# Altium PCB PCB1.PcbDoc (part 1 of 3) (continued)
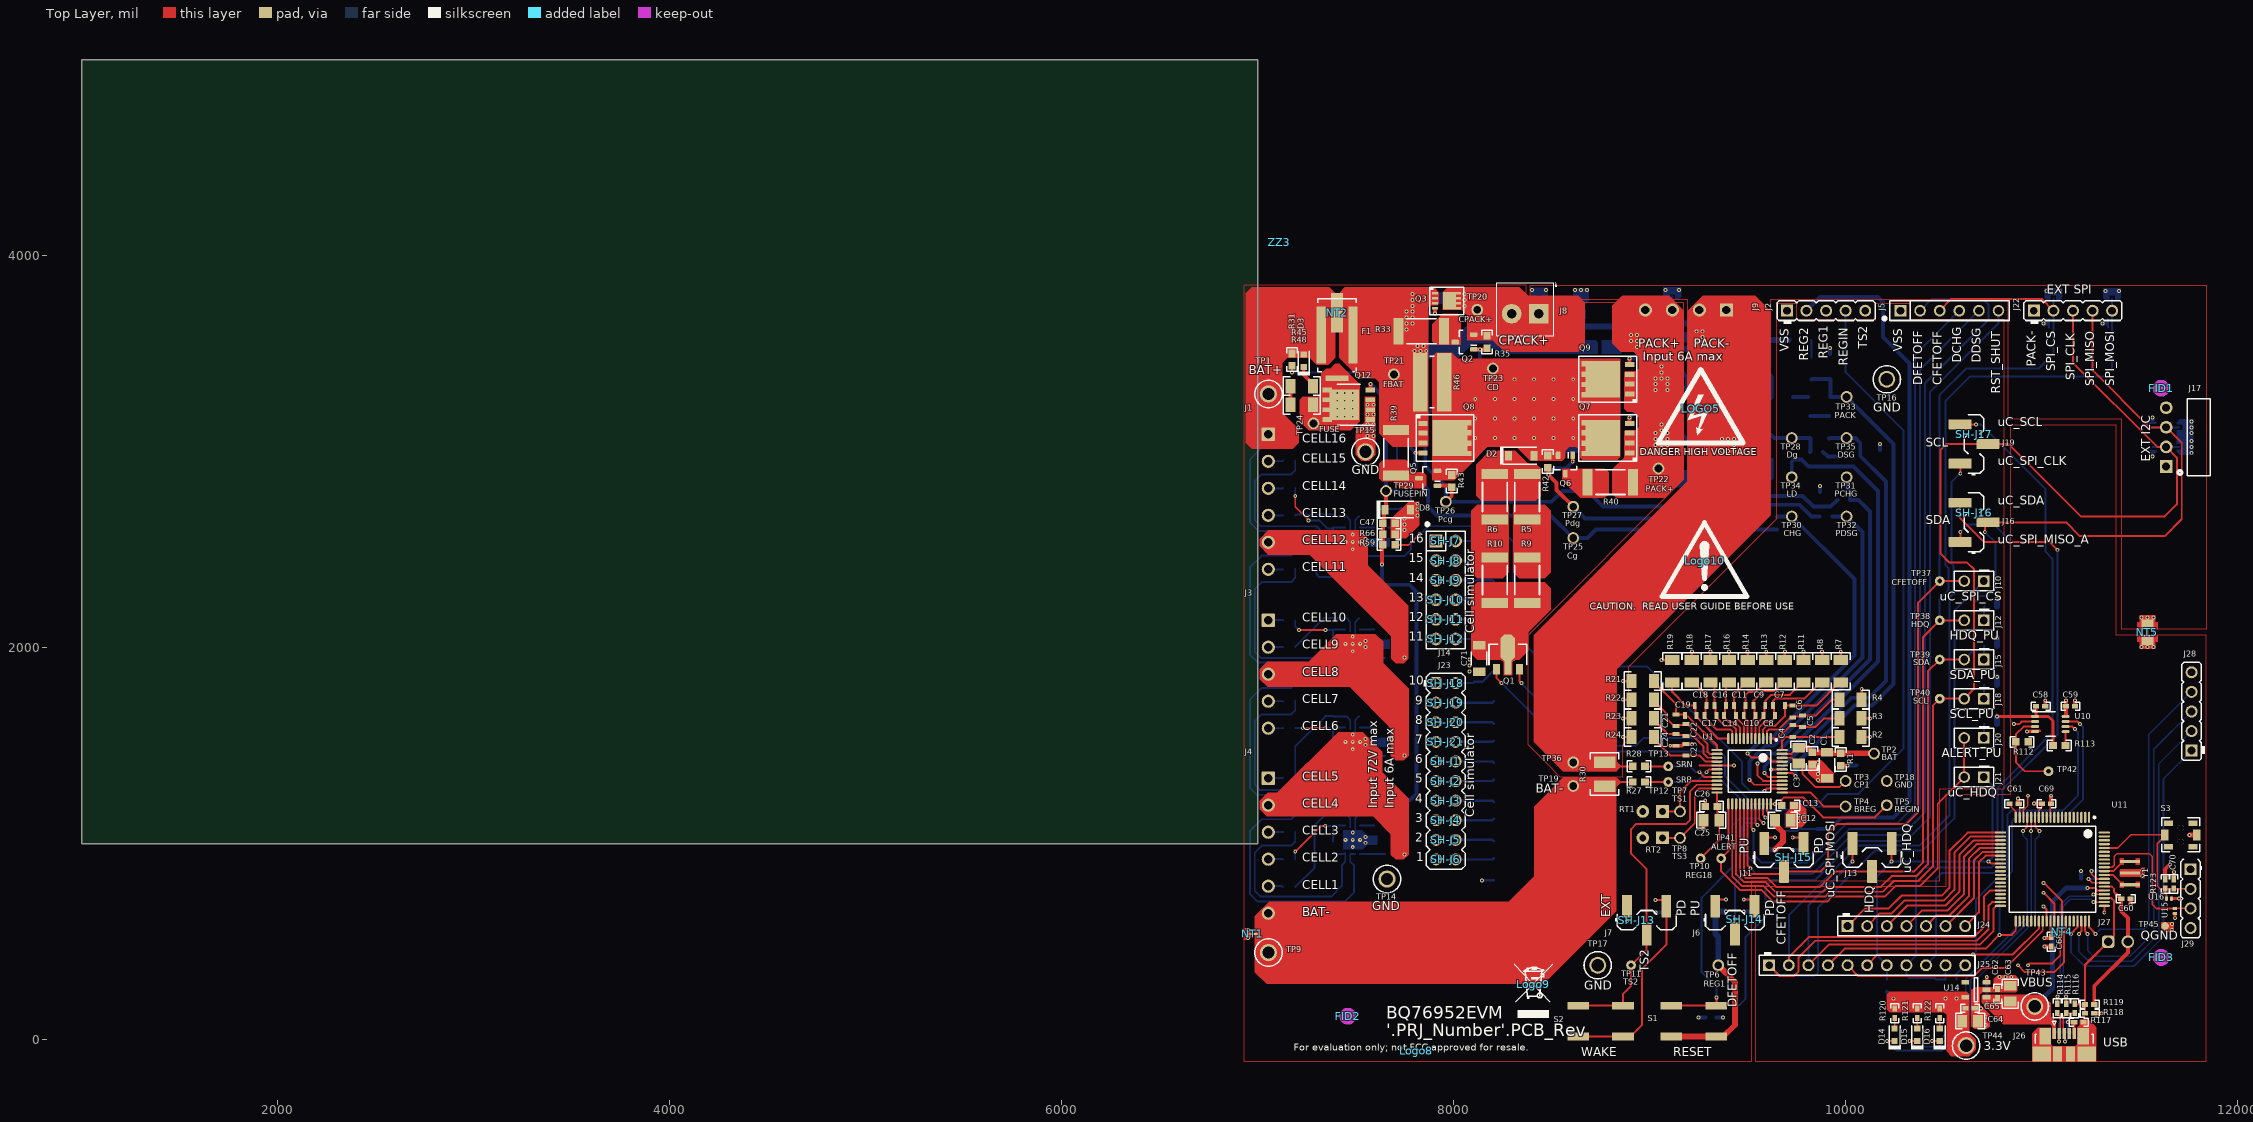
[diagram p0: Top Layer view]
## Components (designator, comment, footprint, x,y, rotation, side; value= is the part's Value field where it differs from the comment) (continued)
R3 "CRCW120620R0FKEA" 1206 10025,1640 r180 top value=20.0
R4 "CRCW120620R0FKEA" 1206 10025,1735 r180 top value=20.0
R5 "CRCW2512220RJNEG" 2512 8375,2770 r90 top value=220
R6 "CRCW2512220RJNEG" 2512 8210,2770 r90 top value=220
R7 "CRCW120620R0FKEA" 1206 9975,1880 r270 top value=20.0
R8 "CRCW120620R0FKEA" 1206 9880,1880 r270 top value=20.0
R9 "CRCW2512220RJNEG" 2512 8375,2345 r90 top value=220
R10 "CRCW2512220RJNEG" 2512 8210,2345 r90 top value=220
R11 "CRCW120620R0FKEA" 1206 9785,1880 r270 top value=20.0
R12 "CRCW120620R0FKEA" 1206 9690,1880 r270 top value=20.0
R13 "CRCW120620R0FKEA" 1206 9595,1880 r270 top value=20.0
R14 "CRCW120620R0FKEA" 1206 9500,1880 r270 top value=20.0
R15 "CRCW06030000Z0EA" 0603 9705,1215 r0 bottom value=0
R16 "CRCW120620R0FKEA" 1206 9405,1880 r270 top value=20.0
R17 "CRCW120620R0FKEA" 1206 9310,1880 r270 top value=20.0
R18 "CRCW120620R0FKEA" 1206 9215,1880 r270 top value=20.0
R19 "CRCW120620R0FKEA" 1206 9115,1880 r270 top value=20.0
R20 "CRCW060310K0JNEA" 0603 9285,145 r270 bottom value=10k
R21 "CRCW120620R0FKEA" 1206 8965,1830 r0 top value=20.0
R22 "CRCW120620R0FKEA" 1206 8965,1735 r0 top value=20.0
R23 "CRCW120620R0FKEA" 1206 8965,1640 r0 top value=20.0
R24 "CRCW120620R0FKEA" 1206 8965,1545 r0 top value=20.0
R25 "CRCW060310K0JNEA" 0603 9335,685 r90 bottom value=10k
R26 "CRCW0603100KJNEA" 0603 9535.01,685.01 r90 bottom value=100k
R27 "Resistor" 0603 8945,1315 r0 top value=100
R28 "Resistor" 0603 8945,1395 r0 top value=100
R29 "CRCW060310K0JNEA" 0603 9085,680.87 r90 bottom value=10k
R30 "Resistor" 1210M 8770,1355 r270 top value=0.001
R31 "Resistor" 0603 7175,3470 r270 top value=100
R32 "Resistor" 0603 7160,3090 r0 bottom value=1.0k
R33 "CRCW25124K70JNEG" 2512 7835,3615 r0 top value=4.7k
R34 "Resistor" 0603 7160,2955 r0 bottom value=1.0k
R35 "Resistor" 0603 8170,3560 r270 top value=10Meg
R36 "Resistor" 0603 7160,2815 r0 bottom value=1.0k
R37 "Resistor" 0603 7160,2675 r0 bottom value=1.0k
R38 "CRCW060320K0JNEA" 0603 7685,2540 r0 bottom value=20k
R39 "CRCW25124K70JNEG" 2512 7705,2995 r270 top value=4.7k
R40 "CRCW25124K70JNEG" 2512 8800,2845 r0 top value=4.7k
R41 "Resistor" 0603 7685,1950 r180 bottom value=100
R42 "Resistor" 0603 8480,2950 r270 top value=10Meg
R43 "Resistor" 0603 7990,2850 r270 top value=10Meg
R44 "RC0603FR-0795K3L" 0603 7730,2745 r90 bottom value=95.3k
R45 "CRCW12067K50JNEA" 1206 7225,3335 r0 top value=7.5k
R46 "Resistor" 2512_WIDE_VISHAY 7890,3355 r0 top value=0
R47 "Resistor" 0603 7160,2540 r0 bottom value=1.0k
R48 "CRCW12067K50JNEA" 1206 7225,3240 r180 top value=7.5k
R49 "Resistor" 0603 7160,2400 r0 bottom value=1.0k
R50 "Resistor" 0603 7830,3625 r0 bottom value=10Meg
R51 "Resistor" 0603 9125,3415 r0 bottom value=10Meg
R52 "Resistor" 0603 9125,3140 r0 bottom value=10Meg
R53 "Resistor" 0603 7160,2140 r0 bottom value=1.0k
R54 "Resistor" 0603 7160,2005 r0 bottom value=1.0k
R55 "CRCW060351R0JNEA" 0603 9000,3195 r0 bottom value=51
R56 "CRCW06030000Z0EA" 0603 9000,3480 r0 bottom value=0
R57 "Resistor" 0603 9315,3101.51 r90 bottom value=10k
R58 "CRCW060320K0JNEA" 0603 7685,2020 r0 bottom value=20k
R59 "Resistor" 0603 7670,2525 r0 top value=5.1k
R60 "RC0603JR-0762KL" 0603 7635,2290 r90 bottom value=62k
R61 "CRCW06035K10JNEA" 0603 9650,2635 r270 bottom value=5.1k
R62 "CRCW06035K10JNEA" 0603 9990,2755 r180 bottom value=5.1k
R63 "CRCW06035K10JNEA" 0603 9900,2670 r180 bottom value=5.1k
R64 "CRCW12065K10JNEA" 1206 9820,3125 r270 bottom value=5.1k
R65 "CRCW06037K50JNEA" 0603 9850,3000 r180 bottom value=7.5k
R66 "Resistor" 0603 7670,2580 r180 top value=20k
R67 "Resistor" 0603 7685,1450 r180 bottom value=100
R68 "CRCW12065K10JNEA" 1206 9915,3125 r90 bottom value=5.1k
R69 "Resistor" 0603 7160,1865 r0 bottom value=1.0k
R70 "CRCW12065K10JNEA" 1206 9865,3280 r0 bottom value=5.1k
R71 "CRCW12065K10JNEA" 1206 9675,3280 r0 bottom value=5.1k
R72 "Resistor" 0603 7160,1725 r0 bottom value=1.0k
R73 "CRCW12065K10JNEA" 1206 9825,3425 r270 bottom value=5.1k
R74 "CRCW12065K10JNEA" 1206 9765,3570 r0 bottom value=5.1k
R75 "Resistor" 0603 7160,1590 r0 bottom value=1.0k
R76 "CRCW12065K10JNEA" 1206 9680,2960 r0 bottom value=5.1k
R77 "CRCW12065K10JNEA" 1206 9565,2865 r0 bottom value=5.1k
R78 "Resistor" 0603 7160,1335 r0 bottom value=1.0k
R79 "CRCW060320K0JNEA" 0603 7685,1520 r0 bottom value=20k
R80 "CRCW060327K0JNEA" 0603 7780,1690 r0 bottom value=27k
R81 "Resistor" 0603 7685,945 r180 bottom value=100
R82 "Resistor" 0603 7625,1095 r0 bottom value=5.1k
R83 "Resistor" 0603 7160,1195 r0 bottom value=1.0k
R84 "Resistor" 0603 7160,1060 r0 bottom value=1.0k
R85 "Resistor" 0603 7160,920 r0 bottom value=1.0k
R86 "Resistor" 0603 7160,780 r0 bottom value=1.0k
R87 "CRCW1206200RFKEA" 1206 8105,2495 r90 bottom value=200
R88 "CRCW1206200RFKEA" 1206 8205,2395 r90 bottom value=200
R89 "CRCW060310K0JNEA" 0603 9585,1000.87 r90 bottom value=10k
R90 "CRCW1206200RFKEA" 1206 8105,2295 r90 bottom value=200
R91 "CRCW0603100KJNEA" 0603 9785,1000.87 r90 bottom value=100k
R92 "CRCW060310K0JNEA" 0603 10740,2210 r180 bottom value=10k
R93 "CRCW1206200RFKEA" 1206 8205,2195 r90 bottom value=200
R94 "CRCW060310K0JNEA" 0603 10740,2010 r180 bottom value=10k
R95 "CRCW1206200RFKEA" 1206 8105,2095 r90 bottom value=200
R96 "CRCW1206200RFKEA" 1206 8205,1935 r90 bottom value=200
R97 "CRCW060310K0JNEA" 0603 10740,1810 r180 bottom value=10k
R98 "CRCW1206200RFKEA" 1206 8105,1770 r90 bottom value=200
R99 "CRCW060310K0JNEA" 0603 10740,1610 r180 bottom value=10k
R100 "CRCW1206200RFKEA" 1206 8205,1670 r90 bottom value=200
R101 "CRCW1206200RFKEA" 1206 8105,1570 r90 bottom value=200
R102 "CRCW1206200RFKEA" 1206 8205,1470 r90 bottom value=200
R103 "CRCW1206200RFKEA" 1206 8105,1370 r90 bottom value=200
R104 "CRCW1206200RFKEA" 1206 8205,1270 r90 bottom value=200
R105 "CRCW1206200RFKEA" 1206 8105,1170 r90 bottom value=200
R106 "CRCW1206200RFKEA" 1206 8205,1070 r90 bottom value=200
R107 "CRCW1206200RFKEA" 1206 8105,970 r90 bottom value=200
R108 "CRCW1206200RFKEA" 1206 8205,870 r90 bottom value=200
R109 "CRCW060310K0JNEA" 0603 10565,275 r90 bottom value=10k
R110 "CRCW060310K0JNEA" 0603 10510,275 r90 bottom value=10k
R111 "CRCW060310K0JNEA" 0603 10210,275 r90 bottom value=10k
R112 "CRCW06030000Z0EA" 0603 10900,1520 r180 top value=0
R113 "CRCW06030000Z0EA" 0603 11090,1501 r0 top value=0
R114 "Resistor" 0402 11080,160 r90 top value=33
R115 "Resistor" 0402 11125,160 r90 top value=33
R116 "Resistor" 0402 11170,160 r270 top value=2.0k
R117 "Resistor" 0402 11190,90 r0 top value=10k
R118 "Resistor" 0402 11245,135 r180 top value=1.0Meg
R119 "Resistor" 0402 11245,180 r0 top value=1.0Meg
R120 "Resistor" 0402 10250,135 r90 top value=330
R121 "Resistor" 0402 10365,135 r90 top value=330
R122 "Resistor" 0402 10480,135 r90 top value=330
R123 "Resistor" 0402 11630,795 r90 top value=10k
RT1 "Thermistor" THERMISTOR_103AT-2 9015,1165 r180 top value=10k
RT2 "Thermistor" THERMISTOR_103AT-2 9015,1030 r180 top value=10k
S1 "SW_KST221JLFS" SW_KST221JLFS 9225,95 r0 top
S2 "SW_KST221JLFS" SW_KST221JLFS 8750,95 r180 top
S3 "PTS820 J20M SMTR LFS" SW_PTS820 11710,1045 r180 top
SH-J1 "SNT-100-BK-G" SNT-100-BK-G 7960,1420 r180 top value=1x2
SH-J2 "SNT-100-BK-G" SNT-100-BK-G 7960,1320 r180 top value=1x2
SH-J3 "SNT-100-BK-G" SNT-100-BK-G 7960,1220 r180 top value=1x2
SH-J4 "SNT-100-BK-G" SNT-100-BK-G 7960,1120 r180 top value=1x2
SH-J5 "SNT-100-BK-G" SNT-100-BK-G 7960,1020 r180 top value=1x2
SH-J6 "SNT-100-BK-G" SNT-100-BK-G 7960.01,920.01 r180 top value=1x2
SH-J7 "SNT-100-BK-G" SNT-100-BK-G 7960,2545 r180 top value=1x2
SH-J8 "SNT-100-BK-G" SNT-100-BK-G 7960,2445 r180 top value=1x2
SH-J9 "SNT-100-BK-G" SNT-100-BK-G 7960,2345 r180 top value=1x2
SH-J10 "SNT-100-BK-G" SNT-100-BK-G 7960,2245 r180 top value=1x2
SH-J11 "SNT-100-BK-G" SNT-100-BK-G 7960,2145 r180 top value=1x2
SH-J12 "SNT-100-BK-G" SNT-100-BK-G 7960,2045 r180 top value=1x2
SH-J13 "SNT-100-BK-G" SNT-100-BK-G 8935,610 r180 top value=1x2
SH-J14 "SNT-100-BK-G" SNT-100-BK-G 9485,615 r180 top value=1x2
SH-J15 "SNT-100-BK-G" SNT-100-BK-G 9735,930 r180 top value=1x2
SH-J16 "SNT-100-BK-G" SNT-100-BK-G 10655,2690 r90 top value=1x2
SH-J17 "SNT-100-BK-G" SNT-100-BK-G 10655,3090 r90 top value=1x2
SH-J18 "SNT-100-BK-G" SNT-100-BK-G 7960,1820 r180 top value=1x2
SH-J19 "SNT-100-BK-G" SNT-100-BK-G 7960,1720 r180 top value=1x2
SH-J20 "SNT-100-BK-G" SNT-100-BK-G 7960,1620 r180 top value=1x2
SH-J21 "SNT-100-BK-G" SNT-100-BK-G 7960,1520 r180 top value=1x2
TP1 "TESTPOINT" Keystone5010 7055,3295 r0 top
TP2 "TESTPOINT" TP_VIA_060RND040 10145,1460 r0 top
TP3 "TESTPOINT" TP_VIA_060RND040 10000,1320 r0 top
TP4 "TESTPOINT" TP_VIA_060RND040 10000,1190 r0 top
TP5 "TESTPOINT" TP_VIA_060RND040 10210,1196.26 r0 top
TP6 "TESTPOINT" TP_VIA_060RND040 9350,380 r0 top
TP7 "TESTPOINT" TP_VIA_060RND040 9155,1165 r0 top
TP8 "TESTPOINT" TP_VIA_060RND040 9155,1030 r90 top
TP9 "TESTPOINT" Keystone5011 7055,445 r0 top
TP10 "TESTPOINT" TP_50MIL-25MILHOLE 9260,925 r90 top
TP11 "TESTPOINT" TP_50MIL-25MILHOLE 8905,380 r0 top
TP12 "TESTPOINT" TP_50MIL-25MILHOLE 9095,1315 r90 top
TP13 "TESTPOINT" TP_50MIL-25MILHOLE 9095,1395 r90 top
TP14 "5006" Keystone5006 7660,820 r0 top
TP15 "5006" Keystone5006 7550,3000 r0 top
TP16 "5006" Keystone5006 10210,3370 r0 top
TP17 "5006" Keystone5006 8735,380 r0 top
TP18 "TESTPOINT" TP_VIA_060RND040 10210,1320 r90 top
TP19 "TESTPOINT" TP_VIA_060RND040 8610,1295 r90 top
TP20 "TESTPOINT" TP_VIA_060RND040 8120,3725 r90 top
TP21 "TESTPOINT" TP_VIA_060RND040 7695,3395 r90 top
TP22 "TESTPOINT" TP_VIA_060RND040 9045,2915 r90 top
TP23 "TESTPOINT" TP_VIA_060RND040 8200,3425 r90 top
TP24 "TESTPOINT" TP_VIA_060RND040 7285,3145 r90 top
TP25 "TESTPOINT" TP_VIA_060RND040 8610,2560 r90 top
TP26 "TESTPOINT" TP_VIA_060RND040 7960,2745 r90 top
TP27 "TESTPOINT" TP_VIA_060RND040 8610,2720 r90 top
TP28 "TESTPOINT" TP_VIA_060RND040 9725,3070 r90 top
TP29 "TESTPOINT" TP_VIA_060RND040 7655,2800 r90 top
TP30 "TESTPOINT" TP_VIA_060RND040 9725,2670 r90 top
TP31 "TESTPOINT" TP_VIA_060RND040 10005,2870 r90 top
TP32 "TESTPOINT" TP_VIA_060RND040 10005,2670 r90 top
TP33 "TESTPOINT" TP_VIA_060RND040 10005,3280 r90 top
TP34 "TESTPOINT" TP_VIA_060RND040 9725,2870 r90 top
TP35 "TESTPOINT" TP_VIA_060RND040 10005,3070 r90 top
TP36 "TESTPOINT" TP_VIA_060RND040 8610,1415 r90 top
TP37 "TESTPOINT" TP_50MIL-25MILHOLE 10480,2340 r90 top
TP38 "TESTPOINT" TP_50MIL-25MILHOLE 10480,2140 r90 top
TP39 "TESTPOINT" TP_50MIL-25MILHOLE 10480,1940 r90 top
TP40 "TESTPOINT" TP_50MIL-25MILHOLE 10480,1740 r90 top
TP41 "TESTPOINT" TP_50MIL-25MILHOLE 9365,925 r90 top
TP42 "TESTPOINT" TP_50MIL-25MILHOLE 11035,1370 r90 top
TP43 "5005" Keystone5005 10965,170 r0 top value=Red
TP44 "5005" Keystone5005 10615,-30 r0 top value=Red
TP45 "TESTPOINT" TP_SM_1MM 11630,580 r90 top
U1 "bq76952PFBT" PFB0048A_N 9510,1370 r270 top locked
U2 "BQ771807DPJR" DPJ0008A 7485,2540 r90 bottom
U3 "BQ771807DPJR" DPJ0008A 7485,2020 r90 bottom
U4 "BQ771807DPJR" DPJ0008A 7485,1520 r90 bottom
U5 "BQ771807DPJR" DPJ0008A 7485,1020 r90 bottom
U6 "TPD1E10B06DPYR" DPY0002A#1 11047,3655 r180 bottom
U7 "TPD1E10B06DPYR" DPY0002A#1 11565,3012 r270 bottom
U8 "TPD1E10B06DPYR" DPY0002A#1 11347,3655 r180 bottom
U9 "TPD1E10B06DPYR" DPY0002A#1 11565,3138 r90 bottom
U10 "SN74LVC2T45DCTR" DCT0008A_N 11045,1611 r0 top
U11 "CMP-0038965-1" PN0080A_N 11055,870 r270 top
U12 "TPD1E10B06DPYT" DPY0002A#1 11090,30 r90 bottom
U13 "TPD1E10B06DPYT" DPY0002A#1 11135,30 r90 bottom
U14 "CMP-0035539-1" DBV0005A_N 10665,255 r180 top
U15 "TPD1E10B06DPYT" DPY0002A#2 11680,657 r270 top
U16 "TPD1E10B06DPYT" DPY0002A#2 11650,720 r0 top
Y1 "CSTCR4M00G55B-R0" Murata_CSTCR_G 11450,850 r90 top
ZZ3 "These assemblies must comply with workmanship standards IPC-A-610 Class 2, unless otherwise specified." AssemblyNote 7110,4070 r0 top

## Footprints (in the part's own frame and the unit in brackets; to place one, negate y for a bottom-side part, rotate by r counter-clockwise, add the part's x,y. Pads: shape width x height; smd on the part's side, far side on the other; paste and mask are expansions set on the pad)
0402 [mm] "0402 from SM-752 data"
  rect 0.8x0.6 smd: 1(-0.6,0) 2(0.6,0)
  silkscreen extent -1.22,-0.52 1.22,0.52, body extent -0.55,-0.3 0.55,0.3, height 0.6
0603 [mm] "0603 from SM-752 data"
  rect 1x0.95 smd: 1(-0.8,0) 2(0.8,0)
  silkscreen extent -1.52,-0.69 1.52,0.69, body extent -0.87,-0.47 0.87,0.47, height 1
0603S [mil]
  rect 20x35 smd: 1(-30,0) 2(30,0)
  body extent -34,-19 34,19, height 39
0805_HV [mil] "0805 with 30mil clearance between pads"
  rect 50x63 smd: 1(-40,0) 2(40,0)
  silkscreen extent -74,-40 74,40, body extent -43,-29 43,29, height 57
1206 [mm] "1206 from SM-752 data"
  rect 1.3x1.85 smd: 1(-1.45,0) 2(1.45,0)
  silkscreen extent -2.4,-1.21 2.4,1.21, body extent -1.7,-0.9 1.7,0.9, height 1.35
1206_180 [mm] "1206_180"
  rect 1.1x1.6 smd: 1(-1.7,0) 2(1.7,0)
  silkscreen extent -0.9,-1 0.9,1, body extent -1.75,-0.95 1.75,0.95, height 1.8
1210M [mm] "1210 from SM-752 data"
  rect 1.5x2.8 smd: 1(-1.55,0) 2(1.55,0)
  silkscreen extent -2.75,-1.85 2.75,1.85, body extent -1.7,-1.35 1.7,1.35, height 1.35
2512 [mm] "Chip Resistor, Body 6.3x3.2mm, IPC Medium Density"
  rect 1.3x3.4 smd: 1(-2.95,0) 2(2.95,0)
  silkscreen extent -1.9,-1.6 1.9,1.6, body extent -3.22,-1.67 3.22,1.67, height 0.71
2512_WIDE_VISHAY [mm] "Vishay recommended land pattern"
  rect 1.9x7.6 smd: 1(-1.55,0) 2(1.55,0)
  silkscreen extent -0.3,-3.32 0.3,3.35, body extent -1.7,-3.25 1.7,3.25, height 0.9
AssemblyNote [mil] "Assembly Note"
Bumpon_SJ5003Transparent [mil] "3M Hemispherical Bumpon transparent"
  round 1 on Mech4: 0(0,0)
  silkscreen extent -228,-228 228,228, body extent -219,-219 219,219, height 197
CONN_22-05-3041 [mm] "MOLEX"
  rect 1.65x1.65 hole 1.02: 1(-3.81,5.7)
  round 1.65 hole 1.02: 2(-1.27,5.7) 3(1.27,5.7) 4(3.81,5.7)
  silkscreen extent -5,0 5,4.18, body extent -5,-6.91 5,6.02, height 6.37
CONN_PEC02SAAN [mm] "SULLINS"
  rrect7% 1.5x1.5 hole 1.016: 1(-1.27,0)
  round 1.5 hole 1.016: 2(1.27,0)
  silkscreen extent -2.54,-1.52 2.54,1.27, body extent -2.54,-1.27 2.54,1.27, height 8.38
CONN_PEC06DAAN [mm] "SULLINS"
  rect 1.65x1.65 hole 1.016 mask+0: 1(-6.35,-1.27)
  round 1.65 hole 1.016 mask+0: 2(-6.35,1.27) 3(-3.81,-1.27) 4(-3.81,1.27) 5(-1.27,-1.27) 6(-1.27,1.27) 7(1.27,-1.27) 8(1.27,1.27) 9(3.81,-1.27) 10(3.81,1.27) 11(6.35,-1.27) 12(6.35,1.27)
  silkscreen extent -8.72,-2.6 7.62,2.54, body extent -7.62,-2.54 7.62,2.54, height 8.38
DBV0005A_N [mm] "SOT23, 5-Leads, Body 2.9x1.6mm, Pitch 0.95mm, Lead Span 2.8mm, IPC Medium Density"
  rrect17% 1x0.6 smd: 1(-1.375,0.95) 2(-1.375,0) 3(-1.375,-0.95) 4(1.375,-0.95) 5(1.375,0.95)
  silkscreen extent -0.25,-1.55 0.25,1.55, body extent -1.42,-1.46 1.42,1.46, height 1.09
DCT0008A_N [mm] "TSOP, 8-Leads, Body 3x2.8mm, Pitch 0.65mm, IPC Medium Density"
  oval 1.05x0.4 smd: 1(-1.975,0.975) 2(-1.975,0.325) 3(-1.975,-0.325) 4(-1.975,-0.975) 5(1.975,-0.975) 6(1.975,-0.325) 7(1.975,0.325) 8(1.975,0.975)
  silkscreen extent -2.32,-1.57 0.6,1.58, body extent -2.01,-1.47 2.01,1.48, height 1.3
DPJ0008A [mm]
  oval 0.7x0.25 smd: 1(-1.85,0.95) 2(-1.85,0.325) 3(-1.85,-0.325) 4(-1.85,-0.975) 5(1.85,-0.975) 6(1.85,-0.325) 7(1.85,0.325) 8(1.85,0.95)
  rect 2.4x2.4 smd paste-1.2: 9(0,0)
  silkscreen extent -2.15,-1.65 2.15,1.65, body extent -2.05,-1.55 2.05,1.55, height 0.81
DPY0002A#1 [mm] "X1SON-2"
  rrect57% 0.35x0.6 smd paste-0.5 mask-0.05: 1(-0.325,0) 2(0.325,0)
  rrect33% 0.3x0.5 on Bottom Paste: 1S(-0.35,0) 2S(0.35,0)
  body extent -0.5,-0.3 0.5,0.3, height 0.45
DPY0002A#2 [mm] "X1SON-2"
  rrect57% 0.35x0.6 smd paste-0.5 mask-0.05: 1(-0.325,0) 2(0.325,0)
  rrect33% 0.3x0.5 on Top Paste: 1S(-0.35,0) 2S(0.35,0)
  body extent -0.5,-0.3 0.5,0.3, height 0.45
FCC_disclaimer [mil]
Fiducial10-20 [mm]
  round 1 smd mask+0.5: 1(0,0)
  Top Layer keep-out circle w1.178: c0,0 r0.5
FP-OSTTE040161_HDR4-MFG [mm]
  rrect6% 1.7x1.7 hole 1.1 paste-1000 mask+0: 1(-5.25,0.1)
  round 1.7 hole 1.1 paste-1000 mask+0: 2(-1.75,0.1) 3(1.75,0.1) 4(5.25,0.1)
  body extent -7.68,-3.75 7.68,3.75, height 0.25
FP-OSTTE050161_HDR5-MFG [mm]
  rrect6% 1.7x1.7 hole 1.1 paste-1000 mask+0: 1(-7,0.1)
  round 1.7 hole 1.1 paste-1000 mask+0: 2(-3.5,0.1) 3(0,0.1) 4(3.5,0.1) 5(7,0.1)
  body extent -9.43,-3.75 9.43,3.75, height 0.25
FP-OSTTE060161_HDR6-MFG [mm]
  rrect6% 1.7x1.7 hole 1.1 paste-1000 mask+0: 1(-8.75,0.1)
  round 1.7 hole 1.1 paste-1000 mask+0: 2(-5.25,0.1) 3(-1.75,0.1) 4(1.75,0.1) 5(5.25,0.1) 6(8.75,0.1)
  body extent -11.17,-3.75 11.17,3.75, height 0.25
FUSE_SFK-xx30x [mm] "Fuse"
  rect 7.4x1.2 smd paste+0 mask+0.07: 1(0,2.05) 3(0,-2.05)
  rect 0.75x3 smd paste+0 mask+0.07: 2(-5.575,0)
  Top Layer region: -5.2,1.5 -5.2,-1.5 -3.8,-0.35 -3.8,0.35
  silkscreen extent -4.75,-2.5 4.75,2.5, body extent -4.75,-2.5 4.75,2.5, height 2
IEC_Caution_Medium [mil]
  silkscreen extent -217,-182 217,193
IEC_HighVoltage_Medium [mil]
  silkscreen extent -217,-176 217,200
Keystone5005 [mil] "Keystone Compact loops"
  round 87 hole 63: 1(0,0)
  silkscreen extent -70,-70 70,70, body extent -63,-63 62,63, height 225
Keystone5006 [mil] "Keystone Compact loops"
  round 87 hole 63: 1(0,0)
  silkscreen extent -70,-70 70,70, body extent -63,-63 62,63, height 225
Keystone5010 [mil] "Keystone Multipurpose loops"
  round 87 hole 63: 1(0,0)
  silkscreen extent -70,-70 70,70, body extent -63,-63 63,62, height 319
Keystone5011 [mil] "Keystone Multipurpose loops"
  round 87 hole 63: 1(0,0)
  silkscreen extent -70,-70 70,70, body extent -63,-63 63,62, height 319
Molex_47346-1001 [mm] "Receptacle, 0.65mm, 5x1, R/A, SMT"
  rect 0.45x1.38 smd: 1(-1.3,4.11) 2(-0.65,4.11) 3(0,4.11) 4(0.65,4.11) 5(1.3,4.11)
  rect 1.475x2.1 smd: 6(-2.462,3.75) 7(2.462,3.75)
  rect 2.375x1.95 smd: 8(-2.913,1.45) 11(2.913,1.45)
  rect 1.175x1.95 smd: 9(-0.837,1.45) 10(0.837,1.45)
  silkscreen extent -3.75,2.83 3.75,5.67, body extent -3.9,-0.7 3.9,4.3, height 2.68
Molex_87898-0304 [mm] "Header, 2.54mm, 3x1, SMT"
  rrect8% 1.27x2.96 smd: 1(-2.54,1.8) 2(0,-1.8) 3(2.54,1.8)
  silkscreen extent -4.1,-1.26 3.81,1.25, body extent -3.81,-2.4 3.81,2.4, height 9.65
Molex_0022284043 [mm] "Header, 2.54mm, 4x1, TH"
  rect 1.55x1.55 hole 1.02: 1(-3.81,0)
  round 1.55 hole 1.02: 2(-1.27,0) 3(1.27,0) 4(3.81,0)
  silkscreen extent -5.08,-1.24 5.08,1.5, body extent -5.08,-1.24 5.08,1.24, height 8.4
Murata_CSTCR_G [mm] "Murata"
  rect 0.4x2.6 smd: 1(-1.5,0) 2(0,0) 3(1.5,0)
  Top Layer region: -0.4,0.8 0.4,0.8 0.4,1.3 -0.4,1.3
  Top Layer region: -0.4,-1.301 -0.4,-0.801 0.4,-0.801 0.4,-1.301
  Top Layer region: -1.9,0.8 -1.1,0.8 -1.1,1.3 -1.9,1.3
  Top Layer region: -1.9,-1.301 -1.9,-0.801 -1.1,-0.801 -1.1,-1.301
  Top Layer region: 1.1,0.8 1.9,0.8 1.9,1.3 1.1,1.3
  Top Layer region: 1.1,-1.301 1.1,-0.801 1.9,-0.801 1.9,-1.301
  body extent -2.25,-1 2.25,1, height 1.16
Net-Tie_10mil [mil] "10mil net tie, no solder mask opening, no solder paste"
  rect 10x10 smd paste-5 mask-5: 1(-10,0) 2(10,0)
  Top Layer region: -6,5 6,5 6,-5 -6,-5
Net-Tie_10milWide_30milLong [mil] "10mil net tie, no solder mask opening, no solder paste"
  rect 30x10 smd paste-5 mask-5: 1(-15,0) 2(15,0)
Net-Tie_50milWide_30milLong [mil] "50mil net tie, no solder mask opening, no solder paste"
  rect 30x200 smd paste-20 mask-20: 1(-15,0) 2(15,0)
Net-Tie_0805_HV_NoOverlay [mil] "0805_HV pads tied by 10mil copper trace which can be cut.  An 0805 part can be placed on pads."
  rect 50x63 smd paste-25: 1(-40,0) 2(40,0)
  Top Layer lines w10: -16,0 16,0
  Top Layer keep-out lines w1: -22,30.91 -22,-30.91 ; -14.96,30.91 14.96,30.91 ; 22,30.91 22,-30.91 ; -14.96,-30.91 14.96,-30.91
PFB0048A_N [mm] "Thin QFP, 48-Leads, Body 7x7mm, Pitch 0.5mm, IPC Medium Density"
  oval 1.45x0.3 smd: 1(-4.225,2.75) 2(-4.225,2.25) 3(-4.225,1.75) 4(-4.225,1.25) 5(-4.225,0.75) 6(-4.225,0.25) 7(-4.225,-0.25) 8(-4.225,-0.75) 9(-4.225,-1.25) 10(-4.225,-1.75) 11(-4.225,-2.25) 12(-4.225,-2.75) 25(4.225,-2.75) 26(4.225,-2.25) 27(4.225,-1.75) 28(4.225,-1.25) 29(4.225,-0.75) 30(4.225,-0.25) 31(4.225,0.25) 32(4.225,0.75) 33(4.225,1.25) 34(4.225,1.75) 35(4.225,2.25) 36(4.225,2.75)
  oval 0.3x1.45 smd: 13(-2.75,-4.225) 14(-2.25,-4.225) 15(-1.75,-4.225) 16(-1.25,-4.225) 17(-0.75,-4.225) 18(-0.25,-4.225) 19(0.25,-4.225) 20(0.75,-4.225) 21(1.25,-4.225) 22(1.75,-4.225) 23(2.25,-4.225) 24(2.75,-4.225) 37(2.75,4.225) 38(2.25,4.225) 39(1.75,4.225) 40(1.25,4.225) 41(0.75,4.225) 42(0.25,4.225) 43(-0.25,4.225) 44(-0.75,4.225) 45(-1.25,4.225) 46(-1.75,4.225) 47(-2.25,4.225) 48(-2.75,4.225)
  silkscreen extent -4.17,-2.75 2.75,3.58, body extent -4.5,-4.5 4.5,4.5, height 1.07
PG-TDSON-8 [mm] "Infineon recommended land pattern"
  rect 1.2x0.65 smd: 1(-2.825,1.905) 2(-2.825,0.635) 3(-2.825,-0.635) 4(-2.825,-1.905)
  rect 0.5x0.7 smd: 5(3.175,-2) 6(3.175,-0.675) 7(3.175,0.675) 8(3.175,2)
  rect 4.5x4.7 smd paste-2.25: 9(0.675,0)
  silkscreen extent -3.74,-3 3.74,3, body extent -3.18,-2.89 3.18,2.9, height 1.1
PG-TSDSON-8 [mm] "Infineon recommended land pattern"
  rect 0.8x0.34 smd: 1(-1.538,0.975) 2(-1.538,0.325) 3(-1.538,-0.325) 4(-1.538,-0.975)
  rect 0.65x0.34 smd: 5(1.538,-0.975) 6(1.538,-0.325) 7(1.538,0.325) 8(1.538,0.975)
  rect 1.71x2.29 smd: 9(0.358,0)
  silkscreen extent -2.22,-1.8 2.22,1.8, body extent -1.7,-1.7 1.7,1.7, height 1.1
PN0080A_N [mm] "QFP, 80-Leads, Body 12x12mm, Pitch 0.5mm, IPC Medium Density"
  oval 1.45x0.3 smd: 1(-6.725,4.75) 2(-6.725,4.25) 3(-6.725,3.75) 4(-6.725,3.25) 5(-6.725,2.75) 6(-6.725,2.25) 7(-6.725,1.75) 8(-6.725,1.25) 9(-6.725,0.75) 10(-6.725,0.25) 11(-6.725,-0.25) 12(-6.725,-0.75) 13(-6.725,-1.25) 14(-6.725,-1.75) 15(-6.725,-2.25) 16(-6.725,-2.75) 17(-6.725,-3.25) 18(-6.725,-3.75) 19(-6.725,-4.25) 20(-6.725,-4.75) 41(6.725,-4.75) 42(6.725,-4.25) 43(6.725,-3.75) 44(6.725,-3.25) 45(6.725,-2.75) 46(6.725,-2.25) 47(6.725,-1.75) 48(6.725,-1.25) 49(6.725,-0.75) 50(6.725,-0.25) 51(6.725,0.25) 52(6.725,0.75) 53(6.725,1.25) 54(6.725,1.75) 55(6.725,2.25) 56(6.725,2.75) 57(6.725,3.25) 58(6.725,3.75) 59(6.725,4.25) 60(6.725,4.75)